# Altium PCB LKS_Motor_0313.PcbDoc (part 3 of 4)
Units mm, origin at the board's own origin, x right, y up, seen from the top; angles counter-clockwise.
Board outline 109.77 x 15.02 mm, 2 copper layers (Top Layer, Bottom Layer); 107 components, 73 nets, 326 pads, 198 vias.
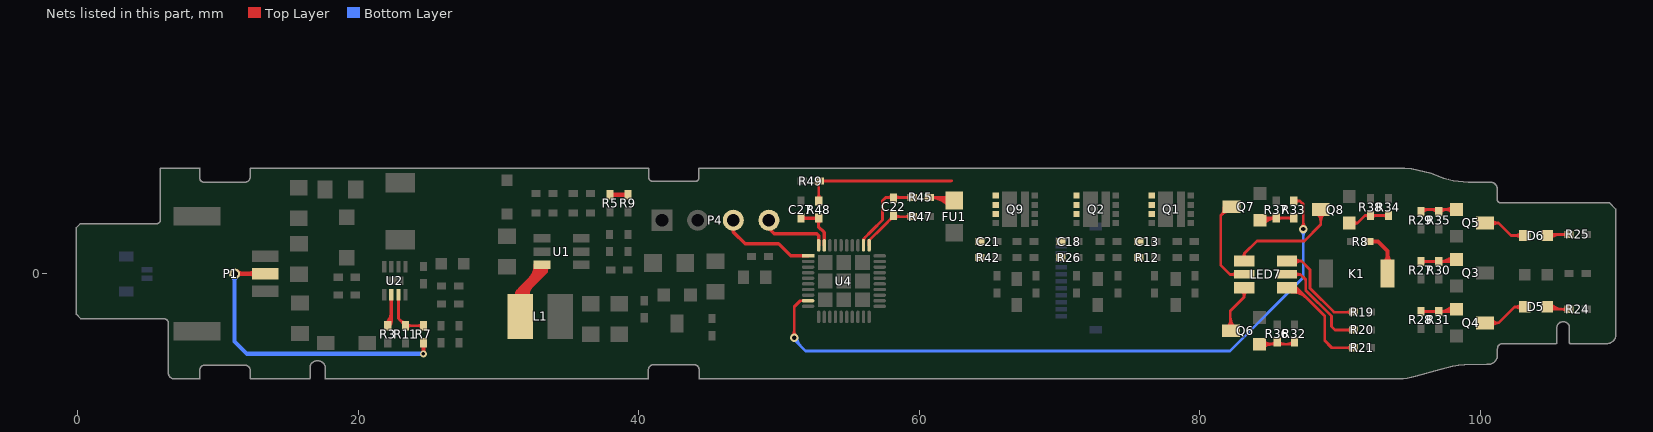
[diagram p3: the nets of this part, all layers, seen from the top]

## Via types
v1: diameter 0.635, hole 0.381, Top Layer to Bottom Layer, tented both sides, 102 vias
v2: diameter 0.6, hole 0.3, Top Layer to Bottom Layer, tented both sides, 36 vias
v3: diameter 0.508, hole 0.254, Top Layer to Bottom Layer, tented both sides, 19 vias
v4: diameter 0.762, hole 0.508, Top Layer to Bottom Layer, 10 vias
v5: diameter 0.5, hole 0.25, Top Layer to Bottom Layer, tented both sides, 8 vias
v6: diameter 0.6, hole 0.3, Top Layer to Bottom Layer, 6 vias
v7: diameter 0.508, hole 0.254, Top Layer to Bottom Layer, 5 vias
v8: diameter 0.5, hole 0.25, Top Layer to Bottom Layer, 4 vias
v9: diameter 0.762, hole 0.508, Top Layer to Bottom Layer, tented both sides, 4 vias
v10: diameter 0.762, hole 0.457, Top Layer to Bottom Layer, tented both sides, 3 vias
v11: diameter 0.508, hole 0.3, Top Layer to Bottom Layer, tented both sides, 1 vias

## Nets (pads, with @x,y where several pads share a name; then routed paths per layer and width w, separated by ;. In a path a pad name is that pad's centre, name@x,y a point inside that pad or via, vN(x,y) a via of type N, cw(c..) or ccw(c..) an arc to the next point about the centre after c; other vN are vias at no path point) (continued)
NetD5_1: D5.1 R24.1 | length 10.6
  Top Layer w0.2: D5.1@104.943,-2.54 R24.1@106.324,-2.54 ; D5.1@104.832,-2.288 ccw(c105.441,-1.68) 105.441,-2.54 ; D5.1@104.832,-2.288 ccw(c105.441,-1.68) 105.441,-2.54 ; D5.1@104.832,-2.288 ccw(c105.441,-1.68) 105.441,-2.54 ; D5.1@104.832,-2.288 ccw(c105.441,-1.68) 105.441,-2.54 ; D5.1@104.974,-2.147 ccw(c105.923,-1.197) 105.923,-2.54 ; D5.1@104.974,-2.147 ccw(c105.923,-1.197) 105.923,-2.54 ; D5.1@104.974,-2.147 ccw(c105.923,-1.197) 105.923,-2.54 ; D5.1@104.974,-2.147 ccw(c105.923,-1.197) 105.923,-2.54 ; 105.876,-2.54 cw(c105.876,-2.912) R24.1@106.139,-2.649 ; 105.876,-2.54 ccw(c105.876,-2.168) R24.1@106.139,-2.431 ; 105.876,-2.54 cw(c105.876,-2.912) R24.1@106.139,-2.649 ; 105.876,-2.54 ccw(c105.876,-2.168) R24.1@106.139,-2.431 ; 105.876,-2.54 cw(c105.876,-2.912) R24.1@106.139,-2.649 ; 105.876,-2.54 ccw(c105.876,-2.168) R24.1@106.139,-2.431 ; 105.876,-2.54 cw(c105.876,-2.912) R24.1@106.139,-2.649 ; 105.876,-2.54 ccw(c105.876,-2.168) R24.1@106.139,-2.431
NetD5_2: D5.2 Q4.3 | length 12.6
  Top Layer w0.2: Q4.3@100.33,-3.505 101.295,-3.505 ; D5.2@103.163,-2.366 102.435,-2.366 101.295,-3.505 ; Q4.3@100.777,-3.74 cw(c101.295,-4.194) 101.295,-3.505 ; Q4.3@100.777,-3.74 cw(c101.295,-4.194) 101.295,-3.505 ; Q4.3@100.777,-3.74 cw(c101.295,-4.194) 101.295,-3.505 ; Q4.3@100.777,-3.74 cw(c101.295,-4.194) 101.295,-3.505 ; Q4.3@100.777,-3.27 ccw(c101.295,-2.816) 101.295,-3.505 ; Q4.3@100.777,-3.27 ccw(c101.295,-2.816) 101.295,-3.505 ; Q4.3@100.777,-3.27 ccw(c101.295,-2.816) 101.295,-3.505 ; Q4.3@100.777,-3.27 ccw(c101.295,-2.816) 101.295,-3.505 ; 102.438,-2.366 cw(c102.438,-3.09) D5.2@102.951,-2.578 ; 102.438,-2.366 ccw(c102.438,-1.641) D5.2@102.951,-2.153 ; 102.438,-2.366 cw(c102.438,-3.09) D5.2@102.951,-2.578 ; 102.438,-2.366 ccw(c102.438,-1.641) D5.2@102.951,-2.153 ; 102.438,-2.366 cw(c102.438,-3.09) D5.2@102.951,-2.578 ; 102.438,-2.366 ccw(c102.438,-1.641) D5.2@102.951,-2.153 ; 102.438,-2.366 cw(c102.438,-3.09) D5.2@102.951,-2.578 ; 102.438,-2.366 ccw(c102.438,-1.641) D5.2@102.951,-2.153
NetD6_1: D6.1 R25.1 | length 10
  Top Layer w0.2: D6.1@104.762,2.721 104.834,2.794 R25.1@106.324,2.794 ; D6.1@104.832,2.651 cw(c105.179,2.304) 105.179,2.794 ; D6.1@104.832,2.651 cw(c105.179,2.304) 105.179,2.794 ; D6.1@104.832,2.651 cw(c105.179,2.304) 105.179,2.794 ; D6.1@104.832,2.651 cw(c105.179,2.304) 105.179,2.794 ; D6.1@104.974,2.509 cw(c105.662,1.821) 105.662,2.794 ; D6.1@104.974,2.509 cw(c105.662,1.821) 105.662,2.794 ; D6.1@104.974,2.509 cw(c105.662,1.821) 105.662,2.794 ; D6.1@104.974,2.509 cw(c105.662,1.821) 105.662,2.794 ; D6.1@104.974,2.933 ccw(c105.31,3.27) 105.31,2.794 ; D6.1@104.974,2.933 ccw(c105.31,3.27) 105.31,2.794 ; D6.1@104.974,2.933 ccw(c105.31,3.27) 105.31,2.794 ; D6.1@104.974,2.933 ccw(c105.31,3.27) 105.31,2.794 ; 105.876,2.794 cw(c105.876,2.422) R25.1@106.139,2.685 ; 105.876,2.794 ccw(c105.876,3.166) R25.1@106.139,2.903 ; 105.876,2.794 cw(c105.876,2.422) R25.1@106.139,2.685 ; 105.876,2.794 ccw(c105.876,3.166) R25.1@106.139,2.903 ; 105.876,2.794 cw(c105.876,2.422) R25.1@106.139,2.685 ; 105.876,2.794 ccw(c105.876,3.166) R25.1@106.139,2.903 ; 105.876,2.794 cw(c105.876,2.422) R25.1@106.139,2.685 ; 105.876,2.794 ccw(c105.876,3.166) R25.1@106.139,2.903
NetD6_2: D6.2 Q5.3 | length 12.4
  Top Layer w0.2: Q5.3@100.33,3.607 101.295,3.607 ; D6.2@103.163,2.714 102.188,2.714 101.295,3.607 ; Q5.3@100.777,3.372 cw(c101.295,2.918) 101.295,3.607 ; Q5.3@100.777,3.372 cw(c101.295,2.918) 101.295,3.607 ; Q5.3@100.777,3.372 cw(c101.295,2.918) 101.295,3.607 ; Q5.3@100.777,3.372 cw(c101.295,2.918) 101.295,3.607 ; Q5.3@100.777,3.842 ccw(c101.295,4.296) 101.295,3.607 ; Q5.3@100.777,3.842 ccw(c101.295,4.296) 101.295,3.607 ; Q5.3@100.777,3.842 ccw(c101.295,4.296) 101.295,3.607 ; Q5.3@100.777,3.842 ccw(c101.295,4.296) 101.295,3.607 ; 102.438,2.714 cw(c102.438,1.99) D6.2@102.951,2.502 ; 102.438,2.714 ccw(c102.438,3.439) D6.2@102.951,2.927 ; 102.438,2.714 cw(c102.438,1.99) D6.2@102.951,2.502 ; 102.438,2.714 ccw(c102.438,3.439) D6.2@102.951,2.927 ; 102.438,2.714 cw(c102.438,1.99) D6.2@102.951,2.502 ; 102.438,2.714 ccw(c102.438,3.439) D6.2@102.951,2.927 ; 102.438,2.714 cw(c102.438,1.99) D6.2@102.951,2.502 ; 102.438,2.714 ccw(c102.438,3.439) D6.2@102.951,2.927
NetK1_1: K1.1 R8.1 | length 8.5
  Top Layer w0.3: R8.1@92.05,2.286 92.71,2.286 93.386,1.61 K1.1@93.386,0 ; K1.1@93.139,0.747 ccw(c92.541,1.345) 93.386,1.345 ; K1.1@93.139,0.747 ccw(c92.541,1.345) 93.386,1.345 ; K1.1@93.139,0.747 ccw(c92.541,1.345) 93.386,1.345 ; K1.1@93.139,0.747 ccw(c92.541,1.345) 93.386,1.345 ; 93.386,1.345 ccw(c94.231,1.345) K1.1@93.633,0.747 ; 93.386,1.345 ccw(c94.231,1.345) K1.1@93.633,0.747 ; 93.386,1.345 ccw(c94.231,1.345) K1.1@93.633,0.747 ; 93.386,1.345 ccw(c94.231,1.345) K1.1@93.633,0.747
NetL1_1: L1.1 U1.6 | length 76.5
  Top Layer w0.3: 31.902,-1.372 31.902,-1.321 32.309,-0.914 ; L1.1@32.08,-2.255 32.08,-0.889 ; U1.6@32.868,0.653 32.868,0.229 ; U1.6@33.093,0.625 33.093,0.124 32.868,-0.102 ; U1.6@33.376,0.596 33.376,0.152 32.309,-0.914 ; L1.1@31.119,-1.716 ccw(c30.838,-1.295) 31.344,-1.295 ; L1.1@31.119,-1.716 ccw(c30.838,-1.295) 31.344,-1.295 ; L1.1@31.119,-1.716 ccw(c30.838,-1.295) 31.344,-1.295 ; L1.1@31.119,-1.716 ccw(c30.838,-1.295) 31.344,-1.295 ; L1.1@31.191,-1.673 ccw(c30.893,-1.098) 31.541,-1.098 ; L1.1@31.191,-1.673 ccw(c30.893,-1.098) 31.541,-1.098 ; L1.1@31.191,-1.673 ccw(c30.893,-1.098) 31.541,-1.098 ; L1.1@31.191,-1.673 ccw(c30.893,-1.098) 31.541,-1.098 ; 31.344,-1.295 ccw(c31.641,-1.295) L1.1@31.613,-1.591 ; 31.344,-1.295 ccw(c31.641,-1.295) L1.1@31.613,-1.591 ; 31.344,-1.295 ccw(c31.641,-1.295) L1.1@31.613,-1.591 ; 31.344,-1.295 ccw(c31.641,-1.295) L1.1@31.613,-1.591 ; 31.344,-1.295 31.344,-2.85 L1.1@31.541,-3.048 31.902,-2.687 31.902,-1.067 ; 31.344,-1.295 31.763,-0.876 ; L1.1@31.398,-1.602 ccw(c31.364,-1.428) 31.541,-1.428 ; L1.1@31.398,-1.602 ccw(c31.364,-1.428) 31.541,-1.428 ; L1.1@31.398,-1.602 ccw(c31.364,-1.428) 31.541,-1.428 ; L1.1@31.398,-1.602 ccw(c31.364,-1.428) 31.541,-1.428 ; L1.1@31.44,-1.595 ccw(c31.37,-1.067) 31.902,-1.067 ; L1.1@31.44,-1.595 ccw(c31.37,-1.067) 31.902,-1.067 ; L1.1@31.44,-1.595 ccw(c31.37,-1.067) 31.902,-1.067 ; L1.1@31.44,-1.595 ccw(c31.37,-1.067) 31.902,-1.067 ; L1.1@31.453,-1.593 ccw(c31.371,-0.889) 32.08,-0.889 ; L1.1@31.453,-1.593 ccw(c31.371,-0.889) 32.08,-0.889 ; L1.1@31.453,-1.593 ccw(c31.371,-0.889) 32.08,-0.889 ; L1.1@31.453,-1.593 ccw(c31.371,-0.889) 32.08,-0.889 ; L1.1@31.48,-1.892 ccw(c31.416,-1.41) 31.902,-1.41 ; L1.1@31.48,-1.892 ccw(c31.416,-1.41) 31.902,-1.41 ; L1.1@31.48,-1.892 ccw(c31.416,-1.41) 31.902,-1.41 ; L1.1@31.48,-1.892 ccw(c31.416,-1.41) 31.902,-1.41 ; L1.1@31.488,-1.891 ccw(c31.411,-1.226) 32.08,-1.226 ; L1.1@31.488,-1.891 ccw(c31.411,-1.226) 32.08,-1.226 ; L1.1@31.488,-1.891 ccw(c31.411,-1.226) 32.08,-1.226 ; L1.1@31.488,-1.891 ccw(c31.411,-1.226) 32.08,-1.226 ; L1.1@31.523,-2.189 ccw(c31.45,-1.563) L1.1@32.08,-1.563 ; L1.1@31.523,-2.189 ccw(c31.45,-1.563) L1.1@32.08,-1.563 ; L1.1@31.523,-2.189 ccw(c31.45,-1.563) L1.1@32.08,-1.563 ; L1.1@31.523,-2.189 ccw(c31.45,-1.563) L1.1@32.08,-1.563 ; 31.541,-1.428 ccw(c31.718,-1.428) L1.1@31.685,-1.602 ; 31.541,-1.428 ccw(c31.718,-1.428) L1.1@31.685,-1.602 ; 31.541,-1.428 ccw(c31.718,-1.428) L1.1@31.685,-1.602 ; 31.541,-1.428 ccw(c31.718,-1.428) L1.1@31.685,-1.602 ; 31.541,-1.428 31.902,-1.067 ; 31.541,-1.428 31.541,-2.794 31.541,-1.098 ; 31.541,-1.098 ccw(c32.189,-1.098) L1.1@31.891,-1.673 ; 31.541,-1.098 ccw(c32.189,-1.098) L1.1@31.891,-1.673 ; 31.541,-1.098 ccw(c32.189,-1.098) L1.1@31.891,-1.673 ; 31.541,-1.098 ccw(c32.189,-1.098) L1.1@31.891,-1.673 ; 31.541,-1.098 31.763,-0.876 ; 31.763,-0.876 32.868,0.229 ; 31.902,-1.382 ccw(c32.509,-1.382) L1.1@32.08,-1.811 ; 31.902,-1.382 ccw(c32.509,-1.382) L1.1@32.08,-1.811 ; 31.902,-1.382 ccw(c32.509,-1.382) L1.1@32.08,-1.811 ; 31.902,-1.382 ccw(c32.509,-1.382) L1.1@32.08,-1.811 ; 31.902,-1.382 ccw(c32.509,-1.382) L1.1@32.08,-1.811 ; 31.902,-1.382 ccw(c32.509,-1.382) L1.1@32.08,-1.811 ; 31.902,-1.382 ccw(c32.509,-1.382) L1.1@32.08,-1.811 ; 31.902,-1.382 ccw(c32.509,-1.382) L1.1@32.08,-1.811 ; 31.902,-1.382 ccw(c32.509,-1.382) L1.1@32.08,-1.811 ; 31.902,-1.382 ccw(c32.509,-1.382) L1.1@32.08,-1.811 ; 31.902,-1.382 ccw(c32.509,-1.382) L1.1@32.08,-1.811 ; 31.902,-1.382 ccw(c32.509,-1.382) L1.1@32.08,-1.811 ; 31.902,-1.067 32.08,-0.889 ; L1.1@31.934,-2.107 cw(c32.571,-1.712) 32.041,-1.182 ; L1.1@31.934,-2.107 cw(c32.571,-1.712) 32.041,-1.182 ; L1.1@31.934,-2.107 cw(c32.571,-1.712) 32.041,-1.182 ; L1.1@31.934,-2.107 cw(c32.571,-1.712) 32.041,-1.182 ; 32.08,-0.889 32.309,-0.66 ; L1.1@32.189,-1.949 cw(c32.901,-1.507) 32.309,-0.914 ; L1.1@32.189,-1.949 cw(c32.901,-1.507) 32.309,-0.914 ; L1.1@32.189,-1.949 cw(c32.901,-1.507) 32.309,-0.914 ; L1.1@32.189,-1.949 cw(c32.901,-1.507) 32.309,-0.914 ; 32.204,-0.435 ccw(c31.145,0.625) U1.6@32.643,0.625 ; 32.204,-0.435 ccw(c31.145,0.625) U1.6@32.643,0.625 ; 32.204,-0.435 ccw(c31.145,0.625) U1.6@32.643,0.625 ; 32.204,-0.435 ccw(c31.145,0.625) U1.6@32.643,0.625 ; 32.309,-0.914 32.309,-0.66 ; 32.309,-0.66 32.868,-0.102 ; U1.6@32.687,0.519 cw(c32.251,0.083) 32.868,0.083 ; U1.6@32.687,0.519 cw(c32.251,0.083) 32.868,0.083 ; U1.6@32.687,0.519 cw(c32.251,0.083) 32.868,0.083 ; U1.6@32.687,0.519 cw(c32.251,0.083) 32.868,0.083 ; U1.6@32.714,0.497 cw(c32.543,0.222) 32.868,0.222 ; U1.6@32.714,0.497 cw(c32.543,0.222) 32.868,0.222 ; U1.6@32.714,0.497 cw(c32.543,0.222) 32.868,0.222 ; U1.6@32.714,0.497 cw(c32.543,0.222) 32.868,0.222 ; U1.6@32.714,0.497 cw(c32.543,0.222) 32.868,0.222 ; U1.6@32.714,0.497 cw(c32.543,0.222) 32.868,0.222 ; U1.6@32.714,0.497 cw(c32.543,0.222) 32.868,0.222 ; U1.6@32.714,0.497 cw(c32.543,0.222) 32.868,0.222 ; 32.717,0.078 ccw(c32.169,0.625) U1.6@32.943,0.625 ; 32.717,0.078 ccw(c32.169,0.625) U1.6@32.943,0.625 ; 32.717,0.078 ccw(c32.169,0.625) U1.6@32.943,0.625 ; 32.717,0.078 ccw(c32.169,0.625) U1.6@32.943,0.625 ; 32.868,-0.102 32.868,0.229 ; U1.6@32.987,0.519 cw(c32.731,0.263) 33.093,0.263 ; U1.6@32.987,0.519 cw(c32.731,0.263) 33.093,0.263 ; U1.6@32.987,0.519 cw(c32.731,0.263) 33.093,0.263 ; U1.6@32.987,0.519 cw(c32.731,0.263) 33.093,0.263 ; 33.093,0.263 cw(c33.455,0.263) U1.6@33.199,0.519 ; 33.093,0.263 cw(c33.455,0.263) U1.6@33.199,0.519 ; 33.093,0.263 cw(c33.455,0.263) U1.6@33.199,0.519 ; 33.093,0.263 cw(c33.455,0.263) U1.6@33.199,0.519 ; U1.6@33.287,0.519 cw(c33.074,0.305) 33.376,0.305 ; U1.6@33.287,0.519 cw(c33.074,0.305) 33.376,0.305 ; U1.6@33.287,0.519 cw(c33.074,0.305) 33.376,0.305 ; U1.6@33.287,0.519 cw(c33.074,0.305) 33.376,0.305 ; 33.376,0.22 cw(c33.798,0.22) U1.6@33.499,0.519 ; 33.376,0.22 cw(c33.798,0.22) U1.6@33.499,0.519 ; 33.376,0.22 cw(c33.798,0.22) U1.6@33.499,0.519 ; 33.376,0.22 cw(c33.798,0.22) U1.6@33.499,0.519
NetLED7_1: LED7.1 Q8.3 | length 15.9
  Top Layer w0.2: LED7.1@83.159,0.899 83.159,1.421 ; Q8.3@88.621,4.572 88.621,3.505 87.452,2.337 84.074,2.337 83.159,1.421 ; LED7.1@83.007,1.158 ccw(c82.854,1.421) 83.159,1.421 ; LED7.1@83.007,1.158 ccw(c82.854,1.421) 83.159,1.421 ; LED7.1@83.007,1.158 ccw(c82.854,1.421) 83.159,1.421 ; LED7.1@83.007,1.158 ccw(c82.854,1.421) 83.159,1.421 ; 83.159,1.421 ccw(c83.463,1.421) LED7.1@83.31,1.158 ; 83.159,1.421 ccw(c83.463,1.421) LED7.1@83.31,1.158 ; 83.159,1.421 ccw(c83.463,1.421) LED7.1@83.31,1.158 ; 83.159,1.421 ccw(c83.463,1.421) LED7.1@83.31,1.158 ; Q8.3@88.368,4.319 cw(c87.758,3.71) 88.621,3.71 ; Q8.3@88.368,4.319 cw(c87.758,3.71) 88.621,3.71 ; Q8.3@88.368,4.319 cw(c87.758,3.71) 88.621,3.71 ; Q8.3@88.368,4.319 cw(c87.758,3.71) 88.621,3.71 ; 88.621,3.71 cw(c89.483,3.71) Q8.3@88.873,4.319 ; 88.621,3.71 cw(c89.483,3.71) Q8.3@88.873,4.319 ; 88.621,3.71 cw(c89.483,3.71) Q8.3@88.873,4.319 ; 88.621,3.71 cw(c89.483,3.71) Q8.3@88.873,4.319
NetLED7_2: LED7.2 Q7.3 | length 14.2
  Top Layer w0.2: Q7.3@82.118,4.775 81.483,4.14 81.483,0.61 82.144,-0.051 LED7.2@83.159,-0.051 ; 81.509,4.166 ccw(c81.008,4.666) Q7.3@81.712,4.739 ; 81.509,4.166 ccw(c81.008,4.666) Q7.3@81.712,4.739 ; 81.509,4.166 ccw(c81.008,4.666) Q7.3@81.712,4.739 ; 81.509,4.166 ccw(c81.008,4.666) Q7.3@81.712,4.739 ; 81.544,4.201 cw(c82.067,3.678) Q7.3@82.067,4.418 ; 81.544,4.201 cw(c82.067,3.678) Q7.3@82.067,4.418 ; 81.544,4.201 cw(c82.067,3.678) Q7.3@82.067,4.418 ; 81.544,4.201 cw(c82.067,3.678) Q7.3@82.067,4.418 ; 82.251,-0.051 cw(c82.251,-0.534) LED7.2@82.592,-0.192 ; 82.251,-0.051 ccw(c82.251,0.432) LED7.2@82.592,0.091 ; 82.251,-0.051 cw(c82.251,-0.534) LED7.2@82.592,-0.192 ; 82.251,-0.051 ccw(c82.251,0.432) LED7.2@82.592,0.091 ; 82.251,-0.051 cw(c82.251,-0.534) LED7.2@82.592,-0.192 ; 82.251,-0.051 ccw(c82.251,0.432) LED7.2@82.592,0.091 ; 82.251,-0.051 cw(c82.251,-0.534) LED7.2@82.592,-0.192 ; 82.251,-0.051 ccw(c82.251,0.432) LED7.2@82.592,0.091
NetLED7_3: LED7.3 Q6.3 | length 14.7
  Top Layer w0.2: Q6.3@82.169,-4.064 82.169,-2.667 83.159,-1.677 LED7.3@83.159,-1.001 ; Q6.3@81.967,-3.811 ccw(c81.48,-3.324) 82.169,-3.324 ; Q6.3@81.967,-3.811 ccw(c81.48,-3.324) 82.169,-3.324 ; Q6.3@81.967,-3.811 ccw(c81.48,-3.324) 82.169,-3.324 ; Q6.3@81.967,-3.811 ccw(c81.48,-3.324) 82.169,-3.324 ; 82.169,-3.562 ccw(c82.722,-3.562) Q6.3@82.331,-3.953 ; 82.169,-3.562 ccw(c82.722,-3.562) Q6.3@82.331,-3.953 ; 82.169,-3.562 ccw(c82.722,-3.562) Q6.3@82.331,-3.953 ; 82.169,-3.562 ccw(c82.722,-3.562) Q6.3@82.331,-3.953 ; 82.169,-3.079 ccw(c83.205,-3.079) Q6.3@82.472,-3.811 ; 82.169,-3.079 ccw(c83.205,-3.079) Q6.3@82.472,-3.811 ; 82.169,-3.079 ccw(c83.205,-3.079) Q6.3@82.472,-3.811 ; 82.169,-3.079 ccw(c83.205,-3.079) Q6.3@82.472,-3.811 ; LED7.3@82.957,-1.223 cw(c82.546,-1.677) 83.159,-1.677 ; LED7.3@82.957,-1.223 cw(c82.546,-1.677) 83.159,-1.677 ; LED7.3@82.957,-1.223 cw(c82.546,-1.677) 83.159,-1.677 ; LED7.3@82.957,-1.223 cw(c82.546,-1.677) 83.159,-1.677 ; 83.159,-1.677 cw(c83.772,-1.677) LED7.3@83.36,-1.223 ; 83.159,-1.677 cw(c83.772,-1.677) LED7.3@83.36,-1.223 ; 83.159,-1.677 cw(c83.772,-1.677) LED7.3@83.36,-1.223 ; 83.159,-1.677 cw(c83.772,-1.677) LED7.3@83.36,-1.223
NetLED7_4: LED7.4 R21.1 | length 20
  Top Layer w0.2: LED7.4@86.209,-1.001 86.878,-1.001 88.9,-3.023 88.9,-4.775 89.408,-5.283 R21.1@90.954,-5.283 ; LED7.4@86.534,-1.301 cw(c86.534,-2.857) 87.634,-1.757 ; LED7.4@86.534,-1.301 cw(c86.534,-2.857) 87.634,-1.757 ; LED7.4@86.534,-1.301 cw(c86.534,-2.857) 87.634,-1.757 ; LED7.4@86.534,-1.301 cw(c86.534,-2.857) 87.634,-1.757 ; LED7.4@86.534,-1.101 cw(c86.534,-2.174) 87.293,-1.415 ; LED7.4@86.534,-1.101 cw(c86.534,-2.174) 87.293,-1.415 ; LED7.4@86.534,-1.101 cw(c86.534,-2.174) 87.293,-1.415 ; LED7.4@86.534,-1.101 cw(c86.534,-2.174) 87.293,-1.415 ; LED7.4@86.534,-0.901 cw(c86.534,-1.491) 86.951,-1.074 ; LED7.4@86.534,-0.901 cw(c86.534,-1.491) 86.951,-1.074 ; LED7.4@86.534,-0.901 cw(c86.534,-1.491) 86.951,-1.074 ; LED7.4@86.534,-0.901 cw(c86.534,-1.491) 86.951,-1.074 ; 90.506,-5.283 cw(c90.506,-5.655) R21.1@90.769,-5.392 ; 90.506,-5.283 ccw(c90.506,-4.911) R21.1@90.769,-5.174 ; 90.506,-5.283 cw(c90.506,-5.655) R21.1@90.769,-5.392 ; 90.506,-5.283 ccw(c90.506,-4.911) R21.1@90.769,-5.174 ; 90.506,-5.283 cw(c90.506,-5.655) R21.1@90.769,-5.392 ; 90.506,-5.283 ccw(c90.506,-4.911) R21.1@90.769,-5.174 ; 90.506,-5.283 cw(c90.506,-5.655) R21.1@90.769,-5.392 ; 90.506,-5.283 ccw(c90.506,-4.911) R21.1@90.769,-5.174
NetLED7_5: LED7.5 R20.1 | length 12.6
  Top Layer w0.2: LED7.5@86.209,-0.051 87.173,-0.051 87.554,-0.432 87.554,-1.194 89.383,-3.023 89.383,-3.759 89.637,-4.013 R20.1@90.954,-4.013 ; LED7.5@86.775,-0.192 cw(c87.116,-0.534) 87.116,-0.051 ; LED7.5@86.775,-0.192 cw(c87.116,-0.534) 87.116,-0.051 ; LED7.5@86.775,-0.192 cw(c87.116,-0.534) 87.116,-0.051 ; LED7.5@86.775,-0.192 cw(c87.116,-0.534) 87.116,-0.051 ; LED7.5@86.775,0.091 ccw(c87.116,0.432) 87.116,-0.051 ; LED7.5@86.775,0.091 ccw(c87.116,0.432) 87.116,-0.051 ; LED7.5@86.775,0.091 ccw(c87.116,0.432) 87.116,-0.051 ; LED7.5@86.775,0.091 ccw(c87.116,0.432) 87.116,-0.051 ; 90.506,-4.013 cw(c90.506,-4.385) R20.1@90.769,-4.122 ; 90.506,-4.013 ccw(c90.506,-3.641) R20.1@90.769,-3.904 ; 90.506,-4.013 cw(c90.506,-4.385) R20.1@90.769,-4.122 ; 90.506,-4.013 ccw(c90.506,-3.641) R20.1@90.769,-3.904 ; 90.506,-4.013 cw(c90.506,-4.385) R20.1@90.769,-4.122 ; 90.506,-4.013 ccw(c90.506,-3.641) R20.1@90.769,-3.904 ; 90.506,-4.013 cw(c90.506,-4.385) R20.1@90.769,-4.122 ; 90.506,-4.013 ccw(c90.506,-3.641) R20.1@90.769,-3.904
NetLED7_6: LED7.6 R19.1 | length 13.7
  Top Layer w0.2: LED7.6@86.209,0.899 87.239,0.899 ; R19.1@90.954,-2.743 89.56,-2.743 87.859,-1.041 87.859,0.279 87.239,0.899 ; LED7.6@86.75,0.691 cw(c87.239,0.22) 87.239,0.899 ; LED7.6@86.75,0.691 cw(c87.239,0.22) 87.239,0.899 ; LED7.6@86.75,0.691 cw(c87.239,0.22) 87.239,0.899 ; LED7.6@86.75,0.691 cw(c87.239,0.22) 87.239,0.899 ; LED7.6@86.75,1.107 ccw(c87.239,1.578) 87.239,0.899 ; LED7.6@86.75,1.107 ccw(c87.239,1.578) 87.239,0.899 ; LED7.6@86.75,1.107 ccw(c87.239,1.578) 87.239,0.899 ; LED7.6@86.75,1.107 ccw(c87.239,1.578) 87.239,0.899 ; 90.506,-2.743 cw(c90.506,-3.115) R19.1@90.769,-2.852 ; 90.506,-2.743 ccw(c90.506,-2.371) R19.1@90.769,-2.634 ; 90.506,-2.743 cw(c90.506,-3.115) R19.1@90.769,-2.852 ; 90.506,-2.743 ccw(c90.506,-2.371) R19.1@90.769,-2.634 ; 90.506,-2.743 cw(c90.506,-3.115) R19.1@90.769,-2.852 ; 90.506,-2.743 ccw(c90.506,-2.371) R19.1@90.769,-2.634 ; 90.506,-2.743 cw(c90.506,-3.115) R19.1@90.769,-2.852 ; 90.506,-2.743 ccw(c90.506,-2.371) R19.1@90.769,-2.634
NetP1_2: P1.2 R7.1 | length 32.4
  Top Layer w0.3: v10(11.176,0) P1.2@13.36,0 ; v3(24.638,-5.715) R7.1@24.638,-4.928 ; v10@11.339,-0.163 cw(c11.734,-0.558) 11.734,0 ; v10@11.339,-0.163 cw(c11.734,-0.558) 11.734,0 ; v10@11.339,-0.163 cw(c11.734,-0.558) 11.734,0 ; v10@11.339,-0.163 cw(c11.734,-0.558) 11.734,0 ; v10@11.339,0.163 ccw(c11.734,0.558) 11.734,0 ; v10@11.339,0.163 ccw(c11.734,0.558) 11.734,0 ; v10@11.339,0.163 ccw(c11.734,0.558) 11.734,0 ; v10@11.339,0.163 ccw(c11.734,0.558) 11.734,0 ; 12.206,0 cw(c12.206,-0.604) P1.2@12.633,-0.177 ; 12.206,0 ccw(c12.206,0.603) P1.2@12.633,0.177 ; 12.206,0 cw(c12.206,-0.604) P1.2@12.633,-0.177 ; 12.206,0 ccw(c12.206,0.603) P1.2@12.633,0.177 ; 12.206,0 cw(c12.206,-0.604) P1.2@12.633,-0.177 ; 12.206,0 ccw(c12.206,0.603) P1.2@12.633,0.177 ; 12.206,0 cw(c12.206,-0.604) P1.2@12.633,-0.177 ; 12.206,0 ccw(c12.206,0.603) P1.2@12.633,0.177
  Bottom Layer w0.3: v10(11.176,0) 11.176,-4.826 12.065,-5.715 v3(24.638,-5.715) ; v10@11.013,-0.163 cw(c10.618,-0.558) 11.176,-0.558 ; v10@11.013,-0.163 cw(c10.618,-0.558) 11.176,-0.558 ; v10@11.013,-0.163 cw(c10.618,-0.558) 11.176,-0.558 ; v10@11.013,-0.163 cw(c10.618,-0.558) 11.176,-0.558 ; 11.176,-0.558 cw(c11.734,-0.558) v10@11.339,-0.163 ; 11.176,-0.558 cw(c11.734,-0.558) v10@11.339,-0.163 ; 11.176,-0.558 cw(c11.734,-0.558) v10@11.339,-0.163 ; 11.176,-0.558 cw(c11.734,-0.558) v10@11.339,-0.163
NetQ3_1: Q3.1 R27.1 R30.1 | length 17.9
  Top Layer w0.2: R27.1@95.758,0.864 98.146,0.864 Q3.1@98.298,1.016 ; R27.1@95.867,0.755 cw(c96.13,0.492) 96.13,0.864 ; R27.1@95.867,0.755 cw(c96.13,0.492) 96.13,0.864 ; R27.1@95.867,0.755 cw(c96.13,0.492) 96.13,0.864 ; R27.1@95.867,0.755 cw(c96.13,0.492) 96.13,0.864 ; R27.1@95.867,0.972 ccw(c96.13,1.235) 96.13,0.864 ; R27.1@95.867,0.972 ccw(c96.13,1.235) 96.13,0.864 ; R27.1@95.867,0.972 ccw(c96.13,1.235) 96.13,0.864 ; R27.1@95.867,0.972 ccw(c96.13,1.235) 96.13,0.864 ; 96.656,0.864 cw(c96.656,0.492) R30.1@96.919,0.755 ; 96.656,0.864 ccw(c96.656,1.235) R30.1@96.919,0.972 ; 96.656,0.864 cw(c96.656,0.492) R30.1@96.919,0.755 ; 96.656,0.864 ccw(c96.656,1.235) R30.1@96.919,0.972 ; 96.656,0.864 cw(c96.656,0.492) R30.1@96.919,0.755 ; 96.656,0.864 ccw(c96.656,1.235) R30.1@96.919,0.972 ; 96.656,0.864 cw(c96.656,0.492) R30.1@96.919,0.755 ; 96.656,0.864 ccw(c96.656,1.235) R30.1@96.919,0.972 ; R30.1@97.068,0.864 ccw(c97.068,2.246) Q3.1@98.045,1.269 ; R30.1@97.068,0.864 ccw(c97.068,2.246) Q3.1@98.045,1.269 ; R30.1@97.068,0.864 ccw(c97.068,2.246) Q3.1@98.045,1.269 ; R30.1@97.068,0.864 ccw(c97.068,2.246) Q3.1@98.045,1.269 ; R30.1@97.137,0.755 cw(c97.4,0.492) 97.4,0.864 ; R30.1@97.137,0.755 cw(c97.4,0.492) 97.4,0.864 ; R30.1@97.137,0.755 cw(c97.4,0.492) 97.4,0.864 ; R30.1@97.137,0.755 cw(c97.4,0.492) 97.4,0.864 ; R30.1@97.137,0.972 ccw(c97.4,1.235) 97.4,0.864 ; R30.1@97.137,0.972 ccw(c97.4,1.235) 97.4,0.864 ; R30.1@97.137,0.972 ccw(c97.4,1.235) 97.4,0.864 ; R30.1@97.137,0.972 ccw(c97.4,1.235) 97.4,0.864 ; 97.551,0.864 ccw(c97.551,1.763) Q3.1@98.187,1.127 ; 97.551,0.864 ccw(c97.551,1.763) Q3.1@98.187,1.127 ; 97.551,0.864 ccw(c97.551,1.763) Q3.1@98.187,1.127 ; 97.551,0.864 ccw(c97.551,1.763) Q3.1@98.187,1.127 ; 97.804,0.864 cw(c97.804,0.522) Q3.1@98.045,0.763 ; 97.804,0.864 cw(c97.804,0.522) Q3.1@98.045,0.763 ; 97.804,0.864 cw(c97.804,0.522) Q3.1@98.045,0.763 ; 97.804,0.864 cw(c97.804,0.522) Q3.1@98.045,0.763
NetQ4_1: Q4.1 R28.1 R31.1 | length 17.9
  Top Layer w0.2: R28.1@95.758,-2.692 98.146,-2.692 Q4.1@98.298,-2.54 ; R28.1@95.867,-2.801 cw(c96.13,-3.064) 96.13,-2.692 ; R28.1@95.867,-2.801 cw(c96.13,-3.064) 96.13,-2.692 ; R28.1@95.867,-2.801 cw(c96.13,-3.064) 96.13,-2.692 ; R28.1@95.867,-2.801 cw(c96.13,-3.064) 96.13,-2.692 ; R28.1@95.867,-2.584 ccw(c96.13,-2.321) 96.13,-2.692 ; R28.1@95.867,-2.584 ccw(c96.13,-2.321) 96.13,-2.692 ; R28.1@95.867,-2.584 ccw(c96.13,-2.321) 96.13,-2.692 ; R28.1@95.867,-2.584 ccw(c96.13,-2.321) 96.13,-2.692 ; 96.656,-2.692 cw(c96.656,-3.064) R31.1@96.919,-2.801 ; 96.656,-2.692 ccw(c96.656,-2.321) R31.1@96.919,-2.584 ; 96.656,-2.692 cw(c96.656,-3.064) R31.1@96.919,-2.801 ; 96.656,-2.692 ccw(c96.656,-2.321) R31.1@96.919,-2.584 ; 96.656,-2.692 cw(c96.656,-3.064) R31.1@96.919,-2.801 ; 96.656,-2.692 ccw(c96.656,-2.321) R31.1@96.919,-2.584 ; 96.656,-2.692 cw(c96.656,-3.064) R31.1@96.919,-2.801 ; 96.656,-2.692 ccw(c96.656,-2.321) R31.1@96.919,-2.584 ; R31.1@97.068,-2.692 ccw(c97.068,-1.31) Q4.1@98.045,-2.287 ; R31.1@97.068,-2.692 ccw(c97.068,-1.31) Q4.1@98.045,-2.287 ; R31.1@97.068,-2.692 ccw(c97.068,-1.31) Q4.1@98.045,-2.287 ; R31.1@97.068,-2.692 ccw(c97.068,-1.31) Q4.1@98.045,-2.287 ; R31.1@97.137,-2.801 cw(c97.4,-3.064) 97.4,-2.692 ; R31.1@97.137,-2.801 cw(c97.4,-3.064) 97.4,-2.692 ; R31.1@97.137,-2.801 cw(c97.4,-3.064) 97.4,-2.692 ; R31.1@97.137,-2.801 cw(c97.4,-3.064) 97.4,-2.692 ; R31.1@97.137,-2.584 ccw(c97.4,-2.321) 97.4,-2.692 ; R31.1@97.137,-2.584 ccw(c97.4,-2.321) 97.4,-2.692 ; R31.1@97.137,-2.584 ccw(c97.4,-2.321) 97.4,-2.692 ; R31.1@97.137,-2.584 ccw(c97.4,-2.321) 97.4,-2.692 ; 97.551,-2.692 ccw(c97.551,-1.793) Q4.1@98.187,-2.429 ; 97.551,-2.692 ccw(c97.551,-1.793) Q4.1@98.187,-2.429 ; 97.551,-2.692 ccw(c97.551,-1.793) Q4.1@98.187,-2.429 ; 97.551,-2.692 ccw(c97.551,-1.793) Q4.1@98.187,-2.429 ; 97.804,-2.692 cw(c97.804,-3.034) Q4.1@98.045,-2.793 ; 97.804,-2.692 cw(c97.804,-3.034) Q4.1@98.045,-2.793 ; 97.804,-2.692 cw(c97.804,-3.034) Q4.1@98.045,-2.793 ; 97.804,-2.692 cw(c97.804,-3.034) Q4.1@98.045,-2.793
NetQ5_1: Q5.1 R29.1 R35.1 | length 13.8
  Top Layer w0.2: R29.1@95.91,4.572 Q5.1@98.298,4.572 ; R29.1@95.867,4.387 cw(c96.314,3.94) 96.314,4.572 ; R29.1@95.867,4.387 cw(c96.314,3.94) 96.314,4.572 ; R29.1@95.867,4.387 cw(c96.314,3.94) 96.314,4.572 ; R29.1@95.867,4.387 cw(c96.314,3.94) 96.314,4.572 ; 96.472,4.572 cw(c96.472,3.94) R35.1@96.919,4.387 ; 96.472,4.572 cw(c96.472,3.94) R35.1@96.919,4.387 ; 96.472,4.572 cw(c96.472,3.94) R35.1@96.919,4.387 ; 96.472,4.572 cw(c96.472,3.94) R35.1@96.919,4.387 ; R35.1@97.137,4.387 cw(c97.584,3.94) 97.584,4.572 ; R35.1@97.137,4.387 cw(c97.584,3.94) 97.584,4.572 ; R35.1@97.137,4.387 cw(c97.584,3.94) 97.584,4.572 ; R35.1@97.137,4.387 cw(c97.584,3.94) 97.584,4.572 ; 97.436,4.572 cw(c97.436,3.71) Q5.1@98.045,4.319 ; 97.436,4.572 ccw(c97.436,5.434) Q5.1@98.045,4.825 ; 97.436,4.572 cw(c97.436,3.71) Q5.1@98.045,4.319 ; 97.436,4.572 ccw(c97.436,5.434) Q5.1@98.045,4.825 ; 97.436,4.572 cw(c97.436,3.71) Q5.1@98.045,4.319 ; 97.436,4.572 ccw(c97.436,5.434) Q5.1@98.045,4.825 ; 97.436,4.572 cw(c97.436,3.71) Q5.1@98.045,4.319 ; 97.436,4.572 ccw(c97.436,5.434) Q5.1@98.045,4.825
NetQ6_1: Q6.1 R32.1 R36.1 | length 14
  Top Layer w0.2: Q6.1@84.201,-5.029 86.589,-5.029 R32.1@86.741,-4.877 ; Q6.1@84.504,-5.282 cw(c85.114,-5.892) 85.114,-5.029 ; Q6.1@84.504,-5.282 cw(c85.114,-5.892) 85.114,-5.029 ; Q6.1@84.504,-5.282 cw(c85.114,-5.892) 85.114,-5.029 ; Q6.1@84.504,-5.282 cw(c85.114,-5.892) 85.114,-5.029 ; Q6.1@84.504,-4.777 ccw(c85.114,-4.167) 85.114,-5.029 ; Q6.1@84.504,-4.777 ccw(c85.114,-4.167) 85.114,-5.029 ; Q6.1@84.504,-4.777 ccw(c85.114,-4.167) 85.114,-5.029 ; Q6.1@84.504,-4.777 ccw(c85.114,-4.167) 85.114,-5.029 ; 84.966,-5.029 ccw(c84.966,-4.397) R36.1@85.413,-4.844 ; 84.966,-5.029 ccw(c84.966,-4.397) R36.1@85.413,-4.844 ; 84.966,-5.029 ccw(c84.966,-4.397) R36.1@85.413,-4.844 ; 84.966,-5.029 ccw(c84.966,-4.397) R36.1@85.413,-4.844 ; R36.1@85.631,-4.844 ccw(c86.078,-4.397) 86.078,-5.029 ; R36.1@85.631,-4.844 ccw(c86.078,-4.397) 86.078,-5.029 ; R36.1@85.631,-4.844 ccw(c86.078,-4.397) 86.078,-5.029 ; R36.1@85.631,-4.844 ccw(c86.078,-4.397) 86.078,-5.029 ; 86.185,-5.029 ccw(c86.185,-4.397) R32.1@86.632,-4.844 ; 86.185,-5.029 ccw(c86.185,-4.397) R32.1@86.632,-4.844 ; 86.185,-5.029 ccw(c86.185,-4.397) R32.1@86.632,-4.844 ; 86.185,-5.029 ccw(c86.185,-4.397) R32.1@86.632,-4.844
NetQ7_1: Q7.1 R33.1 R37.1 | length 17.9
  Top Layer w0.2: Q7.1@84.15,3.81 84.303,3.962 R33.1@86.69,3.962 ; Q7.1@84.388,3.699 cw(c85.025,3.063) 85.025,3.962 ; Q7.1@84.388,3.699 cw(c85.025,3.063) 85.025,3.962 ; Q7.1@84.388,3.699 cw(c85.025,3.063) 85.025,3.962 ; Q7.1@84.388,3.699 cw(c85.025,3.063) 85.025,3.962 ; Q7.1@84.53,3.557 cw(c85.507,2.58) R37.1@85.507,3.962 ; Q7.1@84.53,3.557 cw(c85.507,2.58) R37.1@85.507,3.962 ; Q7.1@84.53,3.557 cw(c85.507,2.58) R37.1@85.507,3.962 ; Q7.1@84.53,3.557 cw(c85.507,2.58) R37.1@85.507,3.962 ; Q7.1@84.53,4.063 ccw(c84.772,4.304) 84.772,3.962 ; Q7.1@84.53,4.063 ccw(c84.772,4.304) 84.772,3.962 ; Q7.1@84.53,4.063 ccw(c84.772,4.304) 84.772,3.962 ; Q7.1@84.53,4.063 ccw(c84.772,4.304) 84.772,3.962 ; 85.074,3.962 cw(c85.074,3.591) R37.1@85.337,3.854 ; 85.074,3.962 ccw(c85.074,4.334) R37.1@85.337,4.071 ; 85.074,3.962 cw(c85.074,3.591) R37.1@85.337,3.854 ; 85.074,3.962 ccw(c85.074,4.334) R37.1@85.337,4.071 ; 85.074,3.962 cw(c85.074,3.591) R37.1@85.337,3.854 ; 85.074,3.962 ccw(c85.074,4.334) R37.1@85.337,4.071 ; 85.074,3.962 cw(c85.074,3.591) R37.1@85.337,3.854 ; 85.074,3.962 ccw(c85.074,4.334) R37.1@85.337,4.071 ; R37.1@85.554,3.854 cw(c85.817,3.591) 85.817,3.962 ; R37.1@85.554,3.854 cw(c85.817,3.591) 85.817,3.962 ; R37.1@85.554,3.854 cw(c85.817,3.591) 85.817,3.962 ; R37.1@85.554,3.854 cw(c85.817,3.591) 85.817,3.962 ; R37.1@85.554,4.071 ccw(c85.817,4.334) 85.817,3.962 ; R37.1@85.554,4.071 ccw(c85.817,4.334) 85.817,3.962 ; R37.1@85.554,4.071 ccw(c85.817,4.334) 85.817,3.962 ; R37.1@85.554,4.071 ccw(c85.817,4.334) 85.817,3.962 ; 86.318,3.962 cw(c86.318,3.591) R33.1@86.581,3.854 ; 86.318,3.962 ccw(c86.318,4.334) R33.1@86.581,4.071 ; 86.318,3.962 cw(c86.318,3.591) R33.1@86.581,3.854 ; 86.318,3.962 ccw(c86.318,4.334) R33.1@86.581,4.071 ; 86.318,3.962 cw(c86.318,3.591) R33.1@86.581,3.854 ; 86.318,3.962 ccw(c86.318,4.334) R33.1@86.581,4.071 ; 86.318,3.962 cw(c86.318,3.591) R33.1@86.581,3.854 ; 86.318,3.962 ccw(c86.318,4.334) R33.1@86.581,4.071
NetQ8_1: Q8.1 R34.1 R38.1 | length 12.6
  Top Layer w0.2: Q8.1@90.653,3.607 91.237,3.607 ; R34.1@93.447,4.14 91.77,4.14 91.237,3.607 ; Q8.1@90.971,3.444 cw(c91.237,3.308) 91.237,3.607 ; Q8.1@90.971,3.444 cw(c91.237,3.308) 91.237,3.607 ; Q8.1@90.971,3.444 cw(c91.237,3.308) 91.237,3.607 ; Q8.1@90.971,3.444 cw(c91.237,3.308) 91.237,3.607 ; Q8.1@90.971,3.77 ccw(c91.237,3.906) 91.237,3.607 ; Q8.1@90.971,3.77 ccw(c91.237,3.906) 91.237,3.607 ; Q8.1@90.971,3.77 ccw(c91.237,3.906) 91.237,3.607 ; Q8.1@90.971,3.77 ccw(c91.237,3.906) 91.237,3.607 ; 91.805,4.14 cw(c91.805,3.768) R38.1@92.068,4.031 ; 91.805,4.14 ccw(c91.805,4.512) R38.1@92.068,4.249 ; 91.805,4.14 cw(c91.805,3.768) R38.1@92.068,4.031 ; 91.805,4.14 ccw(c91.805,4.512) R38.1@92.068,4.249 ; 91.805,4.14 cw(c91.805,3.768) R38.1@92.068,4.031 ; 91.805,4.14 ccw(c91.805,4.512) R38.1@92.068,4.249 ; 91.805,4.14 cw(c91.805,3.768) R38.1@92.068,4.031 ; 91.805,4.14 ccw(c91.805,4.512) R38.1@92.068,4.249 ; R38.1@92.285,4.031 cw(c92.548,3.768) 92.548,4.14 ; R38.1@92.285,4.031 cw(c92.548,3.768) 92.548,4.14 ; R38.1@92.285,4.031 cw(c92.548,3.768) 92.548,4.14 ; R38.1@92.285,4.031 cw(c92.548,3.768) 92.548,4.14 ; R38.1@92.285,4.249 ccw(c92.548,4.512) 92.548,4.14 ; R38.1@92.285,4.249 ccw(c92.548,4.512) 92.548,4.14 ; R38.1@92.285,4.249 ccw(c92.548,4.512) 92.548,4.14 ; R38.1@92.285,4.249 ccw(c92.548,4.512) 92.548,4.14 ; 93.075,4.14 cw(c93.075,3.768) R34.1@93.338,4.031 ; 93.075,4.14 ccw(c93.075,4.512) R34.1@93.338,4.249 ; 93.075,4.14 cw(c93.075,3.768) R34.1@93.338,4.031 ; 93.075,4.14 ccw(c93.075,4.512) R34.1@93.338,4.249 ; 93.075,4.14 cw(c93.075,3.768) R34.1@93.338,4.031 ; 93.075,4.14 ccw(c93.075,4.512) R34.1@93.338,4.249 ; 93.075,4.14 cw(c93.075,3.768) R34.1@93.338,4.031 ; 93.075,4.14 ccw(c93.075,4.512) R34.1@93.338,4.249
NetR3_1: R3.1 U2.6 | length 9.8
  Top Layer w0.254: R3.1@22.098,-3.708 22.098,-3.632 22.356,-3.374 U2.6@22.356,-1.508 ; R3.1@22.008,-3.542 ccw(c21.169,-2.703) 22.356,-2.703 ; R3.1@22.008,-3.542 ccw(c21.169,-2.703) 22.356,-2.703 ; R3.1@22.008,-3.542 ccw(c21.169,-2.703) 22.356,-2.703 ; R3.1@22.008,-3.542 ccw(c21.169,-2.703) 22.356,-2.703 ; R3.1@22.098,-3.505 ccw(c22.098,-3.199) R3.1@22.315,-3.415 ; R3.1@22.098,-3.505 ccw(c22.098,-3.199) R3.1@22.315,-3.415 ; R3.1@22.098,-3.505 ccw(c22.098,-3.199) R3.1@22.315,-3.415 ; R3.1@22.098,-3.505 ccw(c22.098,-3.199) R3.1@22.315,-3.415 ; R3.1@22.188,-3.722 ccw(c21.782,-3.316) 22.356,-3.316 ; R3.1@22.188,-3.722 ccw(c21.782,-3.316) 22.356,-3.316 ; R3.1@22.188,-3.722 ccw(c21.782,-3.316) 22.356,-3.316 ; R3.1@22.188,-3.722 ccw(c21.782,-3.316) 22.356,-3.316 ; R3.1@22.225,-3.632 cw(c22.532,-3.632) R3.1@22.315,-3.415 ; R3.1@22.225,-3.632 cw(c22.532,-3.632) R3.1@22.315,-3.415 ; R3.1@22.225,-3.632 cw(c22.532,-3.632) R3.1@22.315,-3.415 ; R3.1@22.225,-3.632 cw(c22.532,-3.632) R3.1@22.315,-3.415
NetR5_2: R5.2 R9.1 | length 1.3
  Top Layer w0.3: R5.2@37.948,5.628 R9.1@39.218,5.628
NetR7_2: R7.2 R11.1 U2.7 | length 10.1
  Top Layer w0.2: U2.7@22.856,-1.508 22.856,-3.196 23.138,-3.478 23.214,-3.478 23.368,-3.632 R11.1@23.368,-3.708 R7.2@24.638,-3.708 ; 22.975,-3.315 ccw(c23.368,-2.922) R11.1@23.368,-3.478 ; 22.975,-3.315 ccw(c23.368,-2.922) R11.1@23.368,-3.478 ; 22.975,-3.315 ccw(c23.368,-2.922) R11.1@23.368,-3.478 ; 22.975,-3.315 ccw(c23.368,-2.922) R11.1@23.368,-3.478 ; R11.1@23.477,-3.817 cw(c23.74,-4.08) 23.74,-3.708 ; R11.1@23.477,-3.817 cw(c23.74,-4.08) 23.74,-3.708 ; R11.1@23.477,-3.817 cw(c23.74,-4.08) 23.74,-3.708 ; R11.1@23.477,-3.817 cw(c23.74,-4.08) 23.74,-3.708 ; R11.1@23.477,-3.6 ccw(c23.74,-3.337) 23.74,-3.708 ; R11.1@23.477,-3.6 ccw(c23.74,-3.337) 23.74,-3.708 ; R11.1@23.477,-3.6 ccw(c23.74,-3.337) 23.74,-3.708 ; R11.1@23.477,-3.6 ccw(c23.74,-3.337) 23.74,-3.708 ; 24.266,-3.708 cw(c24.266,-4.08) R7.2@24.529,-3.817 ; 24.266,-3.708 ccw(c24.266,-3.337) R7.2@24.529,-3.6 ; 24.266,-3.708 cw(c24.266,-4.08) R7.2@24.529,-3.817 ; 24.266,-3.708 ccw(c24.266,-3.337) R7.2@24.529,-3.6 ; 24.266,-3.708 cw(c24.266,-4.08) R7.2@24.529,-3.817 ; 24.266,-3.708 ccw(c24.266,-3.337) R7.2@24.529,-3.6 ; 24.266,-3.708 cw(c24.266,-4.08) R7.2@24.529,-3.817 ; 24.266,-3.708 ccw(c24.266,-3.337) R7.2@24.529,-3.6
OC: C27.2 R48.2 U4.39 | length 9.5
  Top Layer w0.24: C27.2@51.562,3.962 R48.2@52.832,3.962 ; R48.2@52.807,3.962 52.807,3.353 53.22,2.939 53.22,2.616 U4.39@53.22,2.02 ; C27.2@51.657,3.868 cw(c51.886,3.639) 51.886,3.962 ; C27.2@51.657,3.868 cw(c51.886,3.639) 51.886,3.962 ; C27.2@51.657,3.868 cw(c51.886,3.639) 51.886,3.962 ; C27.2@51.657,3.868 cw(c51.886,3.639) 51.886,3.962 ; C27.2@51.657,4.057 ccw(c51.886,4.286) 51.886,3.962 ; C27.2@51.657,4.057 ccw(c51.886,4.286) 51.886,3.962 ; C27.2@51.657,4.057 ccw(c51.886,4.286) 51.886,3.962 ; C27.2@51.657,4.057 ccw(c51.886,4.286) 51.886,3.962 ; 52.508,3.962 cw(c52.508,3.639) R48.2@52.737,3.868 ; 52.508,3.962 ccw(c52.508,4.286) R48.2@52.737,4.057 ; 52.508,3.962 cw(c52.508,3.639) R48.2@52.737,3.868 ; 52.508,3.962 ccw(c52.508,4.286) R48.2@52.737,4.057 ; 52.508,3.962 cw(c52.508,3.639) R48.2@52.737,3.868 ; 52.508,3.962 ccw(c52.508,4.286) R48.2@52.737,4.057 ; 52.508,3.962 cw(c52.508,3.639) R48.2@52.737,3.868 ; 52.508,3.962 ccw(c52.508,4.286) R48.2@52.737,4.057 ; R48.2@52.737,3.791 cw(c52.57,3.624) 52.807,3.624 ; R48.2@52.737,3.791 cw(c52.57,3.624) 52.807,3.624 ; R48.2@52.737,3.791 cw(c52.57,3.624) 52.807,3.624 ; R48.2@52.737,3.791 cw(c52.57,3.624) 52.807,3.624 ; 52.807,3.501 cw(c53.217,3.501) R48.2@52.927,3.791 ; 52.807,3.501 cw(c53.217,3.501) R48.2@52.927,3.791 ; 52.807,3.501 cw(c53.217,3.501) R48.2@52.927,3.791 ; 52.807,3.501 cw(c53.217,3.501) R48.2@52.927,3.791
OPA0_IN: C22.1 R47.2 U4.31 | length 11.7
  Top Layer w0.2: U4.31@56.42,2.02 56.42,2.369 57.366,3.315 ; 57.658,3.607 57.366,3.315 ; C22.1@58.166,4.064 R47.2@59.588,4.064 ; C22.1@58.166,4.166 58.166,4.115 57.366,3.315 ; 57.861,3.81 cw(c58.166,3.505) C22.1@58.166,3.936 ; 57.861,3.81 cw(c58.166,3.505) C22.1@58.166,3.936 ; 57.861,3.81 cw(c58.166,3.505) C22.1@58.166,3.936 ; 57.861,3.81 cw(c58.166,3.505) C22.1@58.166,3.936 ; C22.1@57.921,3.869 ccw(c57.7,4.09) C22.1@58.012,4.09 ; C22.1@57.921,3.869 ccw(c57.7,4.09) C22.1@58.012,4.09 ; C22.1@57.921,3.869 ccw(c57.7,4.09) C22.1@58.012,4.09 ; C22.1@57.921,3.869 ccw(c57.7,4.09) C22.1@58.012,4.09 ; C22.1@58.275,3.981 cw(c58.475,3.782) 58.475,4.064 ; C22.1@58.275,3.981 cw(c58.475,3.782) 58.475,4.064 ; C22.1@58.275,3.981 cw(c58.475,3.782) 58.475,4.064 ; C22.1@58.275,3.981 cw(c58.475,3.782) 58.475,4.064 ; C22.1@58.275,4.199 ccw(c58.601,4.525) 58.601,4.064 ; C22.1@58.275,4.199 ccw(c58.601,4.525) 58.601,4.064 ; C22.1@58.275,4.199 ccw(c58.601,4.525) 58.601,4.064 ; C22.1@58.275,4.199 ccw(c58.601,4.525) 58.601,4.064 ; 59.04,4.064 cw(c59.04,3.692) R47.2@59.303,3.955 ; 59.04,4.064 ccw(c59.04,4.436) R47.2@59.303,4.173 ; 59.04,4.064 cw(c59.04,3.692) R47.2@59.303,3.955 ; 59.04,4.064 ccw(c59.04,4.436) R47.2@59.303,4.173 ; 59.04,4.064 cw(c59.04,3.692) R47.2@59.303,3.955 ; 59.04,4.064 ccw(c59.04,4.436) R47.2@59.303,4.173 ; 59.04,4.064 cw(c59.04,3.692) R47.2@59.303,3.955 ; 59.04,4.064 ccw(c59.04,4.436) R47.2@59.303,4.173
OPA0_IP: C22.2 R45.2 U4.32 | length 14.6
  Top Layer w0.2: U4.32@56.02,2.02 56.02,2.477 56.642,3.099 ; 56.845,3.302 56.642,3.099 ; 57.506,5.334 57.379,5.207 ; R45.2@59.588,5.434 57.606,5.434 57.379,5.207 ; U4.32@56.04,2.35 cw(c56.394,2.35) 56.144,2.601 ; U4.32@56.04,2.35 cw(c56.394,2.35) 56.144,2.601 ; U4.32@56.04,2.35 cw(c56.394,2.35) 56.144,2.601 ; U4.32@56.04,2.35 cw(c56.394,2.35) 56.144,2.601 ; 56.642,3.099 57.379,3.835 57.379,5.207 ; 57.727,5.434 ccw(c57.727,5.901) C22.2@58.057,5.571 ; 57.727,5.434 ccw(c57.727,5.901) C22.2@58.057,5.571 ; 57.727,5.434 ccw(c57.727,5.901) C22.2@58.057,5.571 ; 57.727,5.434 ccw(c57.727,5.901) C22.2@58.057,5.571 ; 57.861,5.434 cw(c57.861,5.157) C22.2@58.057,5.353 ; 57.861,5.434 cw(c57.861,5.157) C22.2@58.057,5.353 ; 57.861,5.434 cw(c57.861,5.157) C22.2@58.057,5.353 ; 57.861,5.434 cw(c57.861,5.157) C22.2@58.057,5.353 ; C22.2@58.275,5.353 cw(c58.471,5.157) 58.471,5.434 ; C22.2@58.275,5.353 cw(c58.471,5.157) 58.471,5.434 ; C22.2@58.275,5.353 cw(c58.471,5.157) 58.471,5.434 ; C22.2@58.275,5.353 cw(c58.471,5.157) 58.471,5.434 ; C22.2@58.275,5.571 ccw(c58.605,5.901) 58.605,5.434 ; C22.2@58.275,5.571 ccw(c58.605,5.901) 58.605,5.434 ; C22.2@58.275,5.571 ccw(c58.605,5.901) 58.605,5.434 ; C22.2@58.275,5.571 ccw(c58.605,5.901) 58.605,5.434 ; 59.04,5.434 cw(c59.04,5.062) R45.2@59.303,5.325 ; 59.04,5.434 ccw(c59.04,5.806) R45.2@59.303,5.543 ; 59.04,5.434 cw(c59.04,5.062) R45.2@59.303,5.325 ; 59.04,5.434 ccw(c59.04,5.806) R45.2@59.303,5.543 ; 59.04,5.434 cw(c59.04,5.062) R45.2@59.303,5.325 ; 59.04,5.434 ccw(c59.04,5.806) R45.2@59.303,5.543 ; 59.04,5.434 cw(c59.04,5.062) R45.2@59.303,5.325 ; 59.04,5.434 ccw(c59.04,5.806) R45.2@59.303,5.543
PGND: C13.1 C18.1 C21.1 FU1.2 Q1.5 Q1.6 Q1.7 Q2.5 Q2.6 Q2.7 Q9.5 Q9.6 Q9.7 R12.2 R26.2 R42.2 R45.1 R48.1 R49.1 | length 37.8
  Top Layer w0.203: R48.1@52.832,5.182 52.832,6.564 R49.1@52.872,6.604 62.255,6.604 62.281,6.629 ; FU1.2@62.484,5.207 62.257,5.434 R45.1@60.708,5.434 ; R49.1@52.688,6.496 cw(c52.339,6.148) 52.832,6.148 ; R49.1@52.688,6.496 cw(c52.339,6.148) 52.832,6.148 ; R49.1@52.688,6.496 cw(c52.339,6.148) 52.832,6.148 ; R49.1@52.688,6.496 cw(c52.339,6.148) 52.832,6.148 ; R48.1@52.724,5.366 ccw(c52.464,5.626) 52.832,5.626 ; R48.1@52.724,5.366 ccw(c52.464,5.626) 52.832,5.626 ; R48.1@52.724,5.366 ccw(c52.464,5.626) 52.832,5.626 ; R48.1@52.724,5.366 ccw(c52.464,5.626) 52.832,5.626 ; 52.832,5.626 ccw(c53.2,5.626) R48.1@52.94,5.366 ; 52.832,5.626 ccw(c53.2,5.626) R48.1@52.94,5.366 ; 52.832,5.626 ccw(c53.2,5.626) R48.1@52.94,5.366 ; 52.832,5.626 ccw(c53.2,5.626) R48.1@52.94,5.366 ; 52.832,6.324 cw(c53.075,6.324) R49.1@52.903,6.496 ; 52.832,6.324 cw(c53.075,6.324) R49.1@52.903,6.496 ; 52.832,6.324 cw(c53.075,6.324) R49.1@52.903,6.496 ; 52.832,6.324 cw(c53.075,6.324) R49.1@52.903,6.496 ; R49.1@53.056,6.496 cw(c53.316,6.236) 53.316,6.604 ; R49.1@53.056,6.496 cw(c53.316,6.236) 53.316,6.604 ; R49.1@53.056,6.496 cw(c53.316,6.236) 53.316,6.604 ; R49.1@53.056,6.496 cw(c53.316,6.236) 53.316,6.604 ; R49.1@53.056,6.712 ccw(c53.316,6.972) 53.316,6.604 ; R49.1@53.056,6.712 ccw(c53.316,6.972) 53.316,6.604 ; R49.1@53.056,6.712 ccw(c53.316,6.972) 53.316,6.604 ; R49.1@53.056,6.712 ccw(c53.316,6.972) 53.316,6.604 ; R45.1@60.708,5.434 cw(c60.708,3.513) FU1.2@62.098,4.839 ; R45.1@60.708,5.434 cw(c60.708,3.513) FU1.2@62.098,4.839 ; R45.1@60.708,5.434 cw(c60.708,3.513) FU1.2@62.098,4.839 ; R45.1@60.708,5.434 cw(c60.708,3.513) FU1.2@62.098,4.839 ; R45.1@60.892,5.326 cw(c61.152,5.066) 61.152,5.434 ; R45.1@60.892,5.326 cw(c61.152,5.066) 61.152,5.434 ; R45.1@60.892,5.326 cw(c61.152,5.066) 61.152,5.434 ; R45.1@60.892,5.326 cw(c61.152,5.066) 61.152,5.434 ; R45.1@60.892,5.542 ccw(c61.152,5.802) 61.152,5.434 ; R45.1@60.892,5.542 ccw(c61.152,5.802) 61.152,5.434 ; R45.1@60.892,5.542 ccw(c61.152,5.802) 61.152,5.434 ; R45.1@60.892,5.542 ccw(c61.152,5.802) 61.152,5.434 ; 61.182,5.434 cw(c61.182,3.965) FU1.2@62.245,4.979 ; 61.182,5.434 cw(c61.182,3.965) FU1.2@62.245,4.979 ; 61.182,5.434 cw(c61.182,3.965) FU1.2@62.245,4.979 ; 61.182,5.434 cw(c61.182,3.965) FU1.2@62.245,4.979 ; 61.657,5.434 cw(c61.657,4.418) FU1.2@62.392,5.119 ; 61.657,5.434 cw(c61.657,4.418) FU1.2@62.392,5.119 ; 61.657,5.434 cw(c61.657,4.418) FU1.2@62.392,5.119 ; 61.657,5.434 cw(c61.657,4.418) FU1.2@62.392,5.119 ; 61.744,5.434 ccw(c61.744,5.947) FU1.2@62.107,5.584 ; 61.744,5.434 ccw(c61.744,5.947) FU1.2@62.107,5.584 ; 61.744,5.434 ccw(c61.744,5.947) FU1.2@62.107,5.584 ; 61.744,5.434 ccw(c61.744,5.947) FU1.2@62.107,5.584
RED: R33.2 U4.9 | length 62.2
  Top Layer w0.2: v2(51.079,-4.572) 51.079,-2.362 51.512,-1.93 U4.9@52.07,-1.93 ; v2@50.938,-4.431 ccw(c50.597,-4.089) 51.079,-4.089 ; v2@50.938,-4.431 ccw(c50.597,-4.089) 51.079,-4.089 ; v2@50.938,-4.431 ccw(c50.597,-4.089) 51.079,-4.089 ; v2@50.938,-4.431 ccw(c50.597,-4.089) 51.079,-4.089 ; 51.079,-4.089 ccw(c51.562,-4.089) v2@51.221,-4.431 ; 51.079,-4.089 ccw(c51.562,-4.089) v2@51.221,-4.431 ; 51.079,-4.089 ccw(c51.562,-4.089) v2@51.221,-4.431 ; 51.079,-4.089 ccw(c51.562,-4.089) v2@51.221,-4.431
  Top Layer w0.203: R33.2@86.69,5.182 87.147,5.182 87.376,4.953 v2(87.376,3.175) ; R33.2@86.798,5.074 cw(c87.058,4.814) 87.058,5.182 ; R33.2@86.798,5.074 cw(c87.058,4.814) 87.058,5.182 ; R33.2@86.798,5.074 cw(c87.058,4.814) 87.058,5.182 ; R33.2@86.798,5.074 cw(c87.058,4.814) 87.058,5.182 ; R33.2@86.798,5.289 ccw(c87.058,5.55) 87.058,5.182 ; R33.2@86.798,5.289 ccw(c87.058,5.55) 87.058,5.182 ; R33.2@86.798,5.289 ccw(c87.058,5.55) 87.058,5.182 ; R33.2@86.798,5.289 ccw(c87.058,5.55) 87.058,5.182 ; v2@87.236,3.315 ccw(c86.897,3.654) 87.376,3.654 ; v2@87.236,3.315 ccw(c86.897,3.654) 87.376,3.654 ; v2@87.236,3.315 ccw(c86.897,3.654) 87.376,3.654 ; v2@87.236,3.315 ccw(c86.897,3.654) 87.376,3.654 ; 87.376,3.654 ccw(c87.855,3.654) v2@87.516,3.315 ; 87.376,3.654 ccw(c87.855,3.654) v2@87.516,3.315 ; 87.376,3.654 ccw(c87.855,3.654) v2@87.516,3.315 ; 87.376,3.654 ccw(c87.855,3.654) v2@87.516,3.315
  Bottom Layer w0.2: v2(51.079,-4.572) 51.079,-4.699 51.892,-5.512 82.144,-5.512 87.376,-0.279 v2(87.376,3.175) ; v2@51.279,-4.572 ccw(c52.069,-4.572) 51.511,-5.13 ; v2@51.279,-4.572 ccw(c52.069,-4.572) 51.511,-5.13 ; v2@51.279,-4.572 ccw(c52.069,-4.572) 51.511,-5.13 ; v2@51.279,-4.572 ccw(c52.069,-4.572) 51.511,-5.13 ; v2@87.235,3.034 cw(c86.893,2.692) 87.376,2.692 ; v2@87.235,3.034 cw(c86.893,2.692) 87.376,2.692 ; v2@87.235,3.034 cw(c86.893,2.692) 87.376,2.692 ; v2@87.235,3.034 cw(c86.893,2.692) 87.376,2.692 ; 87.376,2.692 cw(c87.859,2.692) v2@87.517,3.034 ; 87.376,2.692 cw(c87.859,2.692) v2@87.517,3.034 ; 87.376,2.692 cw(c87.859,2.692) v2@87.517,3.034 ; 87.376,2.692 cw(c87.859,2.692) v2@87.517,3.034
SWCLK: P4.4 U4.40 | length 5.3
  Top Layer w0.24: P4.4@49.276,4.064 49.276,3.251 49.276,3.226 49.657,2.845 52.68,2.845 52.82,2.704 U4.40@52.82,2.02
SWDIO: P4.3 U4.1 | length 7.1
  Top Layer w0.24: P4.3@46.736,4.064 46.736,2.972 47.574,2.134 49.962,2.134 50.825,1.27 U4.1@52.07,1.27